# Altium PCB PCB2.PcbDoc
Units mm, origin at the board's own origin, x right, y up, seen from the top; angles counter-clockwise.
Board outline 127 x 84.33 mm, 2 copper layers (Top Layer, Bottom Layer); 17 components, 127 nets, 335 pads, 53 vias.
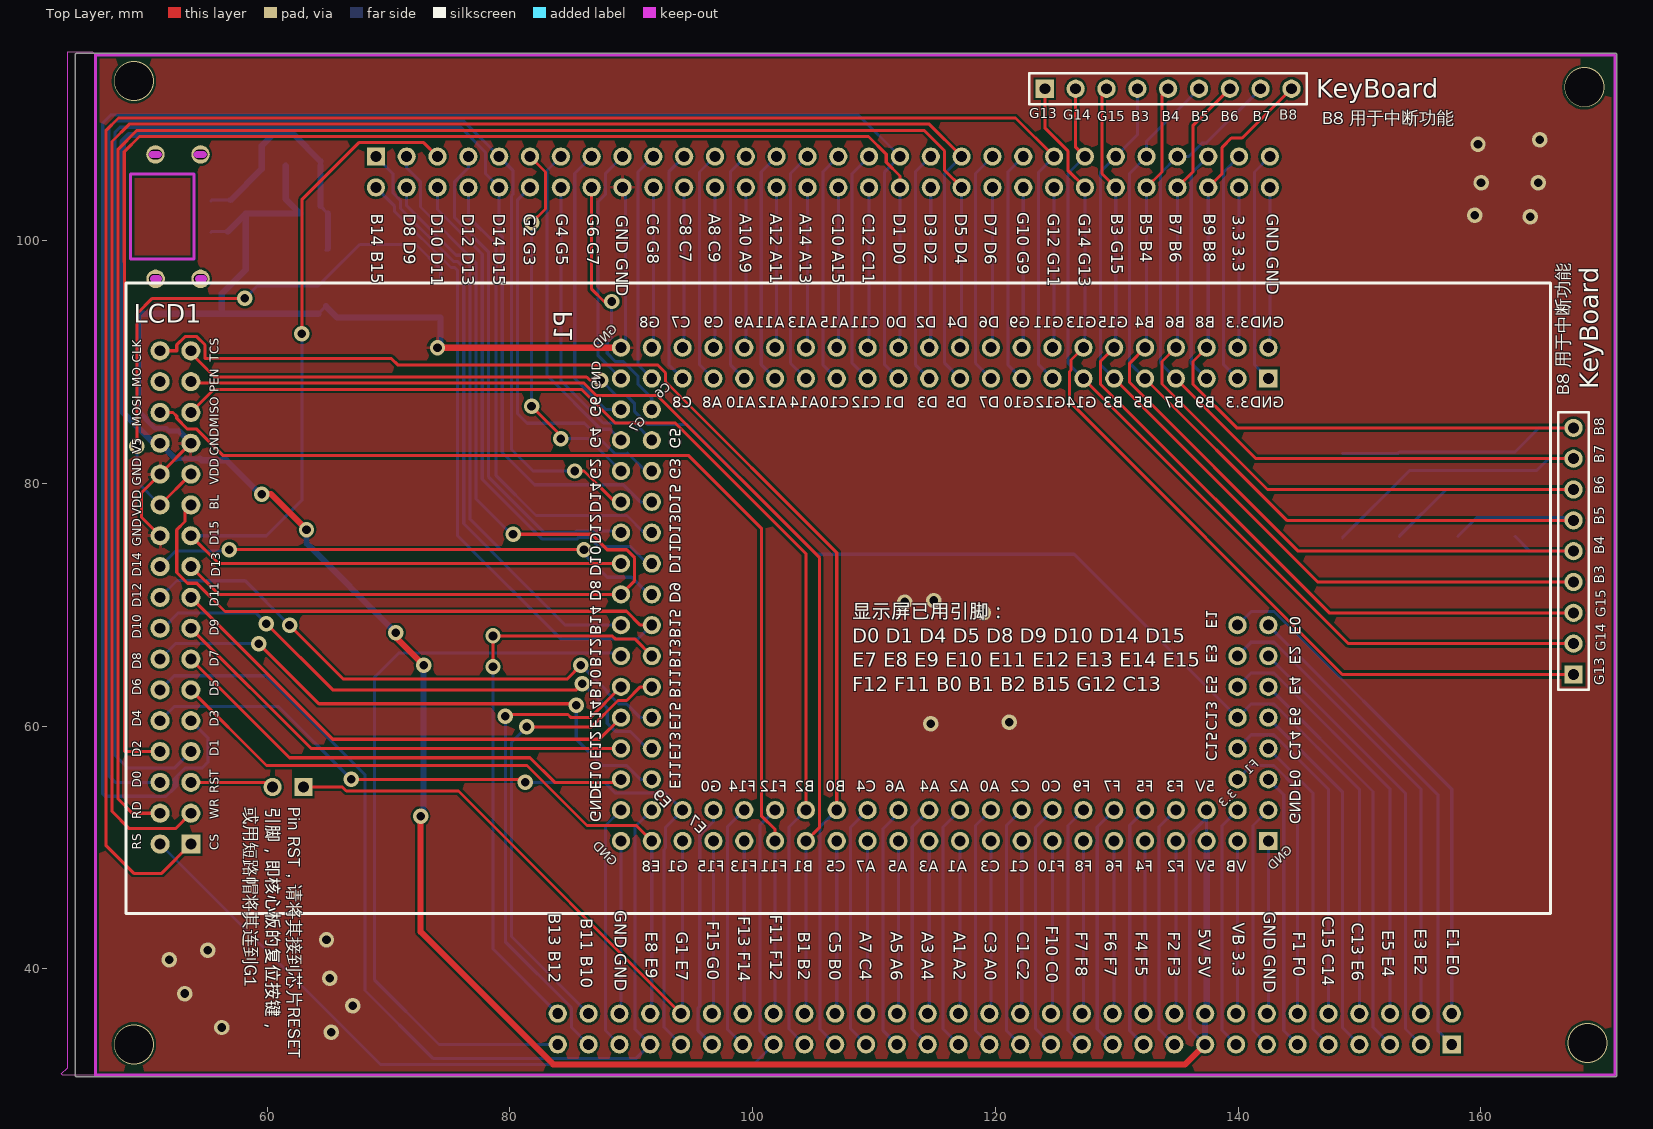
[diagram p0: Top Layer view]
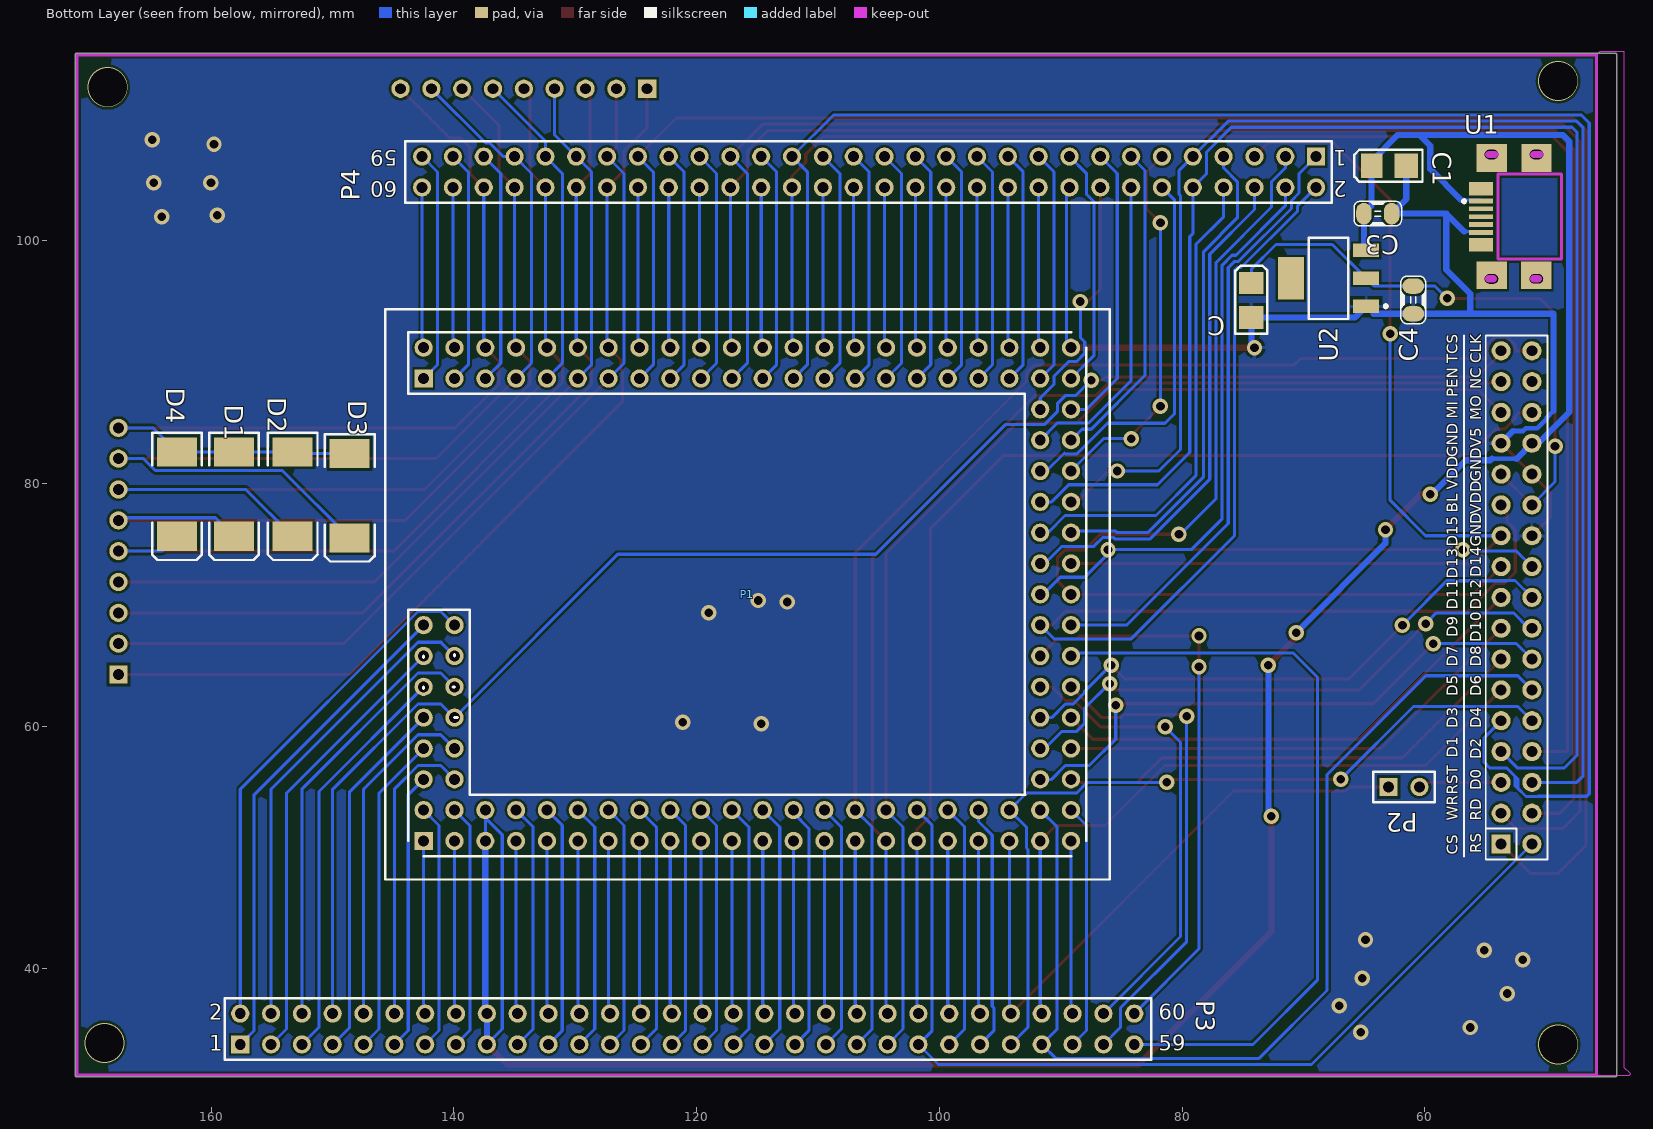
[diagram p1: Bottom Layer view, seen from below]

## Layer stack, top to bottom
Top Solder: solder mask 0.0102, Solder Resist, Dk 3.5
Top Layer: signal copper 0.0356
Dielectric 1: dielectric 0.32, FR-4, Dk 4.8
Bottom Layer: signal copper 0.0356
Bottom Solder: solder mask 0.0102, Solder Resist, Dk 3.5

## Board outline
44.196,31.242 ccw(c44.323,31.242) 44.323,31.115 171.069,31.115 ccw(c171.069,31.242) 171.196,31.242 171.196,115.316 ccw(c171.069,115.316) 171.069,115.443 44.323,115.443 ccw(c44.323,115.316) 44.196,115.316
cut-out: 45.593,115.57 45.847,115.316 45.847,31.242 43.18,31.242 43.053,31.369 43.561,31.877 43.561,115.57

## Design rules (kind name [scope] priority, off if disabled: settings)
Clearance [All] p1: gap=0.203
PolygonConnect [All] p1: connectstyle=Relief reliefconductorwidth=0.254 reliefentries=4 polygonreliefangle="90 Angle" airgapwidth=0.254
RoutingVias [All] p1: holewidth=0.711 width=1.27 viastyle="Through Hole" minholewidth=0.711 minwidth=1.27 maxholewidth=0.711 maxwidth=1.27
SolderMaskExpansion [All] p1: expansion=0.102
Width [All] p1: maxlimit=0.508 minlimit=0.254 preferedwidth=0.254 minimp=50.000000 maximp=50.000000 favimp=50.000000
30 further rules are at their usual default settings.

## Classes and differential pairs
component class STM32F407ZGT6Floor: C C1 C3 C4 LCD1 P1 P2 P3 P4 U1 U2

## Components (designator, comment, footprint, x,y, rotation, side; value= is the part's Value field where it differs from the comment)
C "Cap Pol3" CAP_SMD_3216 74.295,96.52 r270 bottom
C1 "Cap Pol3" CAP_SMD_3216 64.389,106.172 r180 bottom
C3 "Cap" 0805C 62.738,102.235 r0 bottom
C4 "Cap" 0805C 60.96,93.98 r90 bottom
D1 "Comment" SMC 158.115,79.121 r270 bottom
D2 "Comment" SMC 153.289,79.121 r270 bottom
D3 "Comment" SMC 148.59,78.994 r270 bottom
D4 "Comment" SMC 162.814,79.121 r270 bottom
KeyBoard "Comment" HDR1X9 124.079,112.522 r0 top
KeyBoard "Comment" HDR1X9 167.64,64.262 r90 top
LCD1 "TFT_LCD2" DB2*17-3.5-1 48.387,43.307 r90 top
P1 "HeaderST" PCBComponent_1-1 115.824,70.866 r180 bottom
P2 "Header 2" HDR1X2 62.992,54.991 r180 bottom
P3 "Header 30X2" HDR2X30 157.607,33.782 r180 bottom
P4 "Header 30X2" HDR2X30 68.961,106.934 r0 bottom
U1 "micro USB" "Micro_USB_v2 - duplicate" 54.991,101.981 r90 bottom
U2 "1117-xx" SOT-223_ 67.945,96.901 r90 bottom

## Footprints (in the part's own frame and the unit in brackets; to place one, negate y for a bottom-side part, rotate by r counter-clockwise, add the part's x,y. Pads: shape width x height; smd on the part's side, far side on the other; paste and mask are expansions set on the pad)
0805C [mil] "0805封装电容"
  oval 50x70 smd: 1(0,0) 2(90,0)
  silkscreen extent -32,-40 122,40, body extent 3,-25 82,25, height 30
CAP_SMD_3216 [mil] "贴片钽电容，10uF"
  rect 70x80 smd: 1(0,0)
  rect 75x80 smd: 2(112.2,0)
  silkscreen extent -56,-52 165,52, body extent -11,-35 123,35, height 63
DB2*17-3.5-1 [mil]
  rect 62x62 hole 35: 1(275,-210)
  round 62 hole 35: 2(275,-110) 3(375,-210) 4(375,-110) 5(475,-210) 6(475,-110) 7(575,-210) 8(575,-110) 9(675,-210) 10(675,-110) 11(775,-210) 12(775,-110) 13(875,-210) 14(875,-110) 15(975,-210) 16(975,-110) 17(1075,-210) 18(1075,-110) 19(1175,-210) 20(1175,-110) 21(1275,-210) 22(1275,-110) 23(1375,-210) 24(1375,-110) 25(1475,-210) 26(1475,-110) 27(1575,-210) 28(1575,-110) 29(1675,-210) 30(1675,-110) 31(1775,-210) 32(1775,-110) 33(1875,-210) 34(1875,-110)
HDR1X2 [mm] "Connector; Header; 2 Position"
  rect 1.5x1.5 hole 0.9: 1(0,0)
  round 1.5 hole 0.9: 2(2.54,0)
  silkscreen extent -1.27,-1.27 3.81,1.27
HDR1X9 [mm] "Connector; Header; 9 Position"
  rect 1.5x1.5 hole 0.9: 1(0,0)
  round 1.5 hole 0.9: 2(2.54,0) 3(5.08,0) 4(7.62,0) 5(10.16,0) 6(12.7,0) 7(15.24,0) 8(17.78,0) 9(20.32,0)
  silkscreen extent -1.27,-1.27 21.59,1.27
HDR2X30 [mm] "Connector; Header; 30x2 Position"
  rect 1.5x1.5 hole 0.9: 1(0,0)
  round 1.5 hole 0.9: 2(0,2.54) 3(2.54,0) 4(2.54,2.54) 5(5.08,0) 6(5.08,2.54) 7(7.62,0) 8(7.62,2.54) 9(10.16,0) 10(10.16,2.54) 11(12.7,0) 12(12.7,2.54) 13(15.24,0) 14(15.24,2.54) 15(17.78,0) 16(17.78,2.54) 17(20.32,0) 18(20.32,2.54) 19(22.86,0) 20(22.86,2.54) 21(25.4,0) 22(25.4,2.54) 23(27.94,0) 24(27.94,2.54) 25(30.48,0) 26(30.48,2.54) 27(33.02,0) 28(33.02,2.54) 29(35.56,0) 30(35.56,2.54) 31(38.1,0) 32(38.1,2.54) 33(40.64,0) 34(40.64,2.54) 35(43.18,0) 36(43.18,2.54) 37(45.72,0) 38(45.72,2.54) 39(48.26,0) 40(48.26,2.54) 41(50.8,0) 42(50.8,2.54) 43(53.34,0) 44(53.34,2.54) 45(55.88,0) 46(55.88,2.54) 47(58.42,0) 48(58.42,2.54) 49(60.96,0) 50(60.96,2.54) 51(63.5,0) 52(63.5,2.54) 53(66.04,0) 54(66.04,2.54) 55(68.58,0) 56(68.58,2.54) 57(71.12,0) 58(71.12,2.54) 59(73.66,0) 60(73.66,2.54)
  silkscreen extent -1.27,-1.27 75.06,3.81
"Micro_USB_v2 - duplicate" [mm]
  round 1.524 hole 0.762 slot 1.1 at 90 deg: 0(-5.125,-0.475) 0(-5.12,-4.175) 0(5.125,-4.191) 0(5.125,-0.475)
  rect 0.4x2 smd: 1(1.3,0.381) 2(0.65,0.381) 3(0,0.381) 4(-0.65,0.381) 5(-1.3,0.381)
  rect 2.3x2.5 smd: ""(-4.826,-4.175) ""(-4.826,-0.508) ""(4.826,-4.191) ""(4.826,-0.508)
  rect 1.1x2 smd: ""(-2.3,0.381) ""(2.3,0.381)
  Keep-Out Layer lines w0.254: -3.5,-6.25 -3.5,-1 ; -3.45,-6.25 3.5,-6.25 3.5,-1 ; -3.45,-1 3.45,-1
  Keep-Out Layer lines w0.6: 5.125,-4.445 5.125,-3.962 ; -5.12,-4.335 -5.12,-3.962 ; 5.125,-0.762 5.125,-0.262 ; -5.125,-0.635 -5.125,-0.262
  silkscreen extent 1.15,1.65 1.4,1.9
PCBComponent_1-1 [mm]
  round 1.5 hole 0.9: 1(-26.67,-2.54) 2(-24.13,-2.54) 3(-26.67,-5.08) 4(-24.13,-5.08) 5(-26.67,-7.62) 6(-24.13,-7.62) 7(-26.67,-10.16) 8(-24.13,-10.16) 9(-26.67,-12.7) 10(-24.13,-12.7) 11(-26.67,-15.24) 12(-24.13,-15.24) 13(-26.67,-17.78) 15(-24.13,-17.78) 16(-24.13,-20.32) 18(-21.59,-20.32) 18(-21.59,-17.78) 19(-19.05,-17.78) 20(-19.05,-20.32) 21(-16.51,-17.78) 22(-16.51,-20.32) 23(-13.97,-17.78) 24(-13.97,-20.32) 25(-11.43,-17.78) 26(-11.43,-20.32) 27(-8.89,-17.78) 28(-8.89,-20.32) 29(-6.35,-17.78) 30(-6.35,-20.32) 31(-3.81,-17.78) 32(-3.81,-20.32) 33(-1.27,-17.78) 34(-1.27,-20.32) 35(1.27,-17.78) 36(1.27,-20.32) 37(3.81,-17.78) 38(3.81,-20.32) 39(6.35,-17.78) 40(6.35,-20.32) 41(8.89,-17.78) 42(8.89,-20.32) 43(11.43,-17.78) 44(11.43,-20.32) 45(13.97,-17.78) 46(13.97,-20.32) 47(16.51,-17.78) 48(16.51,-20.32) 49(19.05,-17.78) 50(19.05,-20.32) 51(21.59,-17.78) 52(21.59,-20.32) 53(24.13,-17.78) 54(24.13,-20.32) 55(26.67,-17.78) 56(26.67,-20.32) 57(26.67,-15.24) 58(24.13,-15.24) 59(26.67,-12.7) 60(24.13,-12.7) 61(26.67,-10.16) 62(24.13,-10.16) 63(26.67,-7.62) 64(24.13,-7.62) 65(26.67,-5.08) 66(24.13,-5.08) 67(26.67,-2.54) 68(24.13,-2.54) 69(26.67,0) 70(24.13,0) 71(26.67,2.54) 72(24.13,2.54) 73(26.67,5.08) 74(24.13,5.08) 75(26.67,7.62) 76(24.13,7.62) 77(26.67,10.16) 78(24.13,10.16) 79(26.67,12.7) 80(24.13,12.7) 81(26.67,15.24) 82(24.13,15.24) 83(26.67,17.78) 84(26.67,20.32) 85(24.13,17.78) 86(24.13,20.32) 87(21.59,17.78) 88(21.59,20.32) 89(19.05,17.78) 90(19.05,20.32) 91(16.51,17.78) 92(16.51,20.32) 93(13.97,17.78) 94(13.97,20.32) 95(11.43,17.78) 96(11.43,20.32) 97(8.89,17.78) 98(8.89,20.32) 99(6.35,17.78) 100(6.35,20.32) 101(3.81,17.78) 102(3.81,20.32) 103(1.27,17.78) 104(1.27,20.32) 105(-1.27,17.78) 106(-1.27,20.32) 107(-3.81,17.78) 108(-3.81,20.32) 109(-6.35,17.78) 110(-6.35,20.32) 111(-8.89,17.78) 112(-8.89,20.32) 113(-11.43,17.78) 114(-11.43,20.32) 115(-13.97,17.78) 116(-13.97,20.32) 117(-16.51,17.78) 118(-16.51,20.32) 119(-19.05,17.78) 120(-19.05,20.32) 121(-21.59,17.78) 122(-21.59,20.32) 123(-24.13,17.78) 124(-24.13,20.32) 126(-26.67,20.32)
  rect 1.5x1.5 hole 0.9: 14(-26.67,-20.32) 125(-26.67,17.78)
  silkscreen extent -29.84,-23.5 29.84,23.5
SMC [mm] "DO-214-AB/SMC; 2 C-Bend Leads; Body 7.9 x 5.9 mm, inc. leads (LxW)"
  rect 2.4x3.3 smd: 1(-3.475,0) 2(3.475,0)
  silkscreen extent -5.07,-2.05 5.43,2.05
SOT-223_ [mm] "SOT-223/SC-73; 4 Leads; Body 6.7 x 7.3 mm, inc. leads (LxW max)"
  rect 1.1x2.15 smd: 1(-2.3,-3.1) 2(0,-3.1) 3(2.3,-3.1)
  rect 3.5x2.15 smd: 4(0,3.1)
  silkscreen extent -3.35,-4.85 3.35,1.63, body extent -3.25,-3.58 3.25,3.38, height 1.65

## Part data
C C1: "Polarized Capacitor (Surface Mount)"
C3 C4: "Capacitor"
P1 P3 P4: "Header, 30-Pin, Dual row"
P2: "Header, 2-Pin"
U1: library part usb-STM
U2: "稳压芯片"

## Via types
v1: diameter 1.27, hole 0.711, Top Layer to Bottom Layer, 49 vias
v2: diameter 3.3, hole 3.15, Top Layer to Bottom Layer, 4 vias

## Nets (pads, with @x,y where several pads share a name; then routed paths per layer and width w, separated by ;. In a path a pad name is that pad's centre, name@x,y a point inside that pad or via, vN(x,y) a via of type N, cw(c..) or ccw(c..) an arc to the next point about the centre after c; other vN are vias at no path point)
FSMC_A6: LCD1.2 P1.45 P3.45 | length 79
  Bottom Layer w0.254: LCD1.2 69.342,32.131 100.076,32.131 P3.45 100.596,34.913 100.596,51.828 P1.45
FSMC_D0: LCD1.6 P1.75 P4.9 | length 126.9
  Top Layer w0.254: v1(85.344,81.026) 86.106,81.026 88.646,78.486 P1.75
  Bottom Layer w0.254: LCD1.6 47.498,55.372 46.963,55.907 46.963,109.32 47.498,109.855 76.2,109.855 P4.9 80.252,105.803 80.252,103.811 80.137,103.696 80.137,82.804 81.915,81.026 v1(85.344,81.026)
FSMC_D1: LCD1.7 P1.76 P4.10 | length 129.5
  Bottom Layer w0.254: LCD1.7 52.349,56.54 48.539,56.54 47.471,57.609 47.471,108.939 47.879,109.347 75.946,109.347 77.978,107.315 77.978,105.537 P4.10 79.121,100.584 79.375,100.33 79.375,82.55 82.03,79.895 89.344,79.895 90.753,78.486 P1.76
FSMC_D2: LCD1.8 P1.102 P4.36 | length 132.7
  Top Layer w0.254: LCD1.8 48.26,57.912 48.26,98.244 48.233,98.271 48.233,107.332 49.486,108.585 109.549,108.585 111.01,107.124 111.01,106.466 112.141,105.335 P4.36
  Bottom Layer w0.254: P1.102 112.141,91.313 P4.36
FSMC_D3: LCD1.9 P1.101 P4.35 | length 161.4
  Bottom Layer w0.254: LCD1.9 55.118,59.055 55.118,57.023 54.635,56.54 53.237,56.54 52.553,55.856 ; P1.101 110.883,89.777 110.883,105.676 P4.35 108.712,110.363 47.117,110.363 46.455,109.701 46.455,54.427 46.653,54.229 ; 46.653,54.229 50.672,54.229 50.697,54.204 ; 46.653,54.229 46.678,54.204 50.697,54.204 ; 50.697,54.204 51.665,54.204 52.349,54.888 ; 52.349,54.888 52.349,55.653 52.553,55.856 ; 52.349,54.888 52.553,55.091 52.553,55.856
FSMC_D4: LCD1.10 P1.51 P3.51 | length 67.5
  Top Layer w0.254: v1(66.929,55.626) 80.772,55.626 80.899,55.753 v1(81.28,55.372)
  Bottom Layer w0.254: LCD1.10 52.349,61.62 60.935,61.62 v1@66.802,55.753 ; v1(81.28,55.372) 87.809,55.372 88.686,54.495 92.825,54.495 P1.51 92.825,51.677 92.825,49.963 92.71,49.848 92.71,35.179 P3.51
FSMC_D5: LCD1.11 P1.54 P3.54 | length 57.4
  Top Layer w0.254: LCD1.11 59.944,56.769 81.407,56.769 86.36,51.816 90.424,51.816 P1.54
  Bottom Layer w0.254: P3.54 91.694,36.449 P1.54
FSMC_D6: LCD1.12 P1.53 P3.53 | length 85.2
  Bottom Layer w0.254: LCD1.12 52.349,64.16 59.919,64.16 68.072,56.007 68.072,38.227 73.66,32.639 90.424,32.639 P3.53 90.297,35.052 90.297,51.689 P1.53
FSMC_D7: LCD1.13 P1.57 | length 39.7
  Top Layer w0.254: LCD1.13 61.849,57.404 81.661,57.404 83.693,55.372 88.9,55.372 P1.57
FSMC_D8: LCD1.14 P1.58 | length 47.3
  Top Layer w0.254: v1(59.309,66.802) 64.262,61.849 85.344,61.849 v1(85.471,61.722)
  Bottom Layer w0.254: LCD1.14 52.451,66.802 v1(59.309,66.802) ; v1(85.471,61.722) 85.471,58.928 87.642,56.757 89.622,56.757 90.753,55.626 P1.58
FSMC_D9: LCD1.15 P1.59 | length 39.5
  Top Layer w0.254: LCD1.15 63.627,58.166 P1.59
FSMC_D10: LCD1.16 P1.60 | length 46.5
  Top Layer w0.254: v1(59.944,68.453) 65.405,62.992 85.471,62.992 v1(85.979,63.5)
  Bottom Layer w0.254: LCD1.16 51.435,68.072 52.705,69.342 59.055,69.342 v1@59.69,68.707 ; v1(85.979,63.5) 86.019,63.5 88.023,61.496 88.023,60.238 88.686,59.575 89.904,59.575 91.313,58.166 P1.60
FSMC_D11: LCD1.17 P1.61 | length 41
  Top Layer w0.254: LCD1.17 65.405,58.928 87.376,58.928 P1.61
FSMC_D12: LCD1.18 P1.62 | length 46.6
  Top Layer w0.254: v1(61.849,68.326) 66.294,63.881 84.709,63.881 v1(85.852,65.024)
  Bottom Layer w0.254: LCD1.18 52.578,72.009 53.212,72.009 53.237,71.984 58.191,71.984 v1@61.722,68.453 ; v1(85.852,65.024) 85.892,65.024 88.023,62.893 88.023,62.778 88.964,61.837 89.622,61.837 90.753,60.706 P1.62
FSMC_D13: LCD1.19 P1.69 P4.3 | length 85.5
  Top Layer w0.254: LCD1.19 56.007,70.866 P1.69 90.285,71.997 90.285,73.874 89.622,74.537 88.023,74.537 86.741,75.819 v1(80.264,75.819)
  Bottom Layer w0.254: P4.3 71.501,105.993 72.632,104.862 72.632,102.782 77.216,98.198 77.216,78.74 80.137,75.819 v1(80.264,75.819)
FSMC_D14: LCD1.20 P1.70 P4.4 | length 83.4
  Top Layer w0.254: v1(56.896,74.549) v1(86.106,74.549)
  Bottom Layer w0.254: LCD1.20 52.451,74.422 56.769,74.422 v1(56.896,74.549) ; P4.4 71.501,102.87 75.565,98.806 75.89,98.806 76.708,97.988 76.708,77.089 79.248,74.549 v1(86.106,74.549) 85.749,74.549 88.023,72.275 90.031,72.275 91.44,70.866 P1.70
FSMC_D15: LCD1.21 P1.71 P4.5 | length 85.1
  Top Layer w0.254: LCD1.21 56.007,73.406 P1.71 ; v1(62.865,92.329) 62.865,103.378 67.564,108.077 72.898,108.077 P4.5
  Bottom Layer w0.254: LCD1.21 59.944,75.692 62.865,78.613 v1(62.865,92.329)
FSMC_NE4: LCD1.1 P1.111 P4.45 | length 167
  Top Layer w0.254: LCD1.1 51.308,47.879 49.022,47.879 46.709,50.192 46.709,109.066 47.752,110.109 121.666,110.109 P4.45
  Bottom Layer w0.254: P1.111 123.571,89.789 123.571,105.664 P4.45
FSMC_NOE: LCD1.4 P1.106 P4.40 | length 143.8
  Top Layer w0.254: LCD1.4 48.895,52.832 47.725,54.002 47.725,107.542 49.276,109.093 114.121,109.093 115.812,107.402 115.812,105.803 P4.40
  Bottom Layer w0.254: P1.106 117.221,91.313 P4.40
FSMC_NWE: LCD1.3 P1.105 P4.39 | length 153.9
  Top Layer w0.254: LCD1.3 52.451,51.562 48.641,51.562 47.217,52.986 47.217,108.177 48.641,109.601 114.554,109.601 P4.39
  Bottom Layer w0.254: P1.105 115.824,89.916 115.824,105.537 P4.39
GND: C1.2 C3.1 C4.1 C.2 LCD1.22 LCD1.26 LCD1.27 P1.84 P4.18 U1.5 U2.1 | length 101.6
  Top Layer w0.254: LCD1.22 49.657,77.216 49.657,79.248 LCD1.26 LCD1.27
  Top Layer w0.508: v1(74.041,91.186) P1.84
  Bottom Layer w0.254: U1.5 55.441,100.75 56.753,100.75 ; 64.224,93.98 U2.1 ; v1(74.041,91.186) v1@74.295,91.44 ; P1.84 89.535,91.567 89.535,104.14 P4.18
  Bottom Layer w0.381: 49.403,85.978 49.949,85.432 49.949,85.342 50.747,84.544 51.691,84.544 51.907,84.328 52.705,84.328
  Bottom Layer w0.508: 49.403,85.978 49.403,93.98 56.261,93.98 ; 52.705,84.328 LCD1.27 ; 56.753,100.75 58.238,102.235 ; C1.2 61.539,103.434 C3.1 58.238,102.235 ; 64.224,93.98 C4.1 56.261,93.98 ; U2.1 65.776,93.67 C.2 v1@74.295,91.44 ; 56.261,93.98 56.261,95.631 58.238,97.608 58.238,102.235
  other v1: 65.278,34.798 56.261,35.179 67.056,36.957 53.213,37.973 65.151,39.243 51.943,40.767 55.118,41.529 64.897,42.418 114.681,60.198 121.158,60.325 118.999,69.342 112.522,70.231 114.935,70.358 164.084,101.981 159.512,102.108 160.02,104.775 164.719,104.775 159.766,107.95 164.846,108.331
H1: P1.1 P3.1 | length 40.8
  Bottom Layer w0.254: P1.1 156.464,54.356 156.464,34.925 P3.1
H2: P1.2 P3.2 | length 42.7
  Bottom Layer w0.254: P1.2 141.085,69.457 142.962,69.457 157.607,54.812 P3.2
H3: P1.3 P3.3 | length 37.2
  Bottom Layer w0.254: P1.3 153.797,54.483 153.797,35.052 P3.3
H4: P1.4 P3.4 | length 39.1
  Bottom Layer w0.254: P1.4 141.034,66.865 ; 141.034,66.917 142.962,66.917 155.067,54.812 P3.4
H5: P1.5 P3.5 | length 33.6
  Bottom Layer w0.254: P1.5 151.118,54.622 151.118,35.445 151.13,35.433 151.13,35.179 P3.5
H6: P1.6 P3.6 | length 35.5
  Bottom Layer w0.254: P1.6 141.085,64.377 142.962,64.377 152.527,54.812 P3.6
H7: P1.7 P3.7 | length 30
  Bottom Layer w0.254: P1.7 148.59,54.61 148.59,35.179 P3.7
H8: LCD1.33 P1.8 P3.8 | length 131.1
  Top Layer w0.254: LCD1.33 53.721,90.747 55.695,88.773 86.324,88.773 86.578,88.519 v1(87.503,88.519)
  Bottom Layer w0.254: v1(87.503,88.519) 88.785,87.237 89.622,87.237 90.285,86.574 90.285,85.916 91.327,84.874 94.526,84.874 105.231,74.168 126.492,74.168 P1.8 141.085,61.837 142.962,61.837 149.987,54.812 P3.8
H9: P1.9 P3.9 | length 26.4
  Bottom Layer w0.254: P1.9 146.177,54.483 146.177,35.052 P3.9
H10: P1.10 P3.10 | length 28.3
  Bottom Layer w0.254: P1.10 141.097,59.309 141.109,59.297 142.962,59.297 147.447,54.812 P3.10
H11: P1.11 P3.11 | length 22.8
  Bottom Layer w0.254: P1.11 143.764,54.356 143.764,34.925 P3.11
H12: P1.12 P3.12 | length 24.7
  Bottom Layer w0.254: P1.12 141.085,56.757 142.962,56.757 144.907,54.812 P3.12
H13: P1.13 P3.13 | length 20.3
  Bottom Layer w0.254: P3.13 141.224,34.925 141.224,51.816 P1.13
H14: P1.14 P3.14 | length 14.3
  Bottom Layer w0.254: P3.14 142.494,36.449 P1.14
H15: P1.15 P3.15 | length 20.3
  Bottom Layer w0.254: P3.15 138.684,34.925 138.684,51.816 P1.15
H16: P1.16 P3.16 | length 14.3
  Bottom Layer w0.254: P3.16 139.954,36.449 P1.16
H17: C1.1 C3.2 LCD1.28 P1.18 P3.17 P3.18 U1.1 U2.3 | length 221.4
  Top Layer w0.254: v1@70.612,67.31 v1@71.12,67.818
  Top Layer w0.508: v1(59.563,79.121) 60.325,79.121 v1(63.246,76.2) ; v1@70.612,67.31 v1(72.898,65.024) ; v1(72.644,52.578) 72.644,43.053 83.566,32.131 135.636,32.131 P3.17
  Bottom Layer w0.254: U1.1 55.441,103.35 56.995,103.35 ; 64.389,102.87 C3.2 ; C1.1 C1.1@64.389,106.553 ; U2.3 U2.3@65.024,99.38 ; v1(72.644,52.578) v1@72.898,52.832 ; P3.17 136.017,35.052 136.017,51.054 P1.18@137.414,52.451 ; P3.18 P3.18@137.414,36.449 ; P1.18@137.414,50.546 P1.18@137.414,52.451 ; P1.18@137.414,53.086 P1.18@137.414,52.451
  Bottom Layer w0.381: 52.451,82.042 54.483,82.042
  Bottom Layer w0.508: 52.451,82.042 LCD1.28 50.673,83.312 48.106,85.879 48.106,108.177 48.641,108.712 60.452,108.712 ; 54.483,82.042 54.61,81.915 56.642,81.915 59.436,79.121 v1(59.563,79.121) ; 56.995,103.35 59.563,105.918 59.563,107.823 60.452,108.712 ; v1(63.246,76.2) 63.246,75.057 v1@70.485,67.818 ; 64.389,102.87 C1.1 ; C1.1@64.389,106.553 62.23,108.712 60.452,108.712 ; U2.3@65.024,99.38 C3.2 ; v1@72.898,52.832 v1(72.898,65.024) ; P3.17 P3.18 ; P3.18@137.414,36.449 P1.18@137.414,50.546
  other v1: 70.612,67.691
H19: P1.19 P3.19 | length 20.4
  Bottom Layer w0.254: P3.19 133.477,35.052 133.477,51.689 P1.19
H20: P1.20 P3.20 | length 14.3
  Bottom Layer w0.254: P3.20 134.874,36.449 P1.20
H21: P1.21 P3.21 | length 20.3
  Bottom Layer w0.254: P3.21 131.076,34.913 131.076,51.828 P1.21
H22: P1.22 P3.22 | length 14.3
  Bottom Layer w0.254: P3.22 132.334,36.449 P1.22
H23: P1.23 P3.23 | length 20.4
  Bottom Layer w0.254: P3.23 128.397,35.052 128.397,51.689 P1.23
H24: P1.24 P3.24 | length 14.3
  Bottom Layer w0.254: P3.24 129.794,36.449 P1.24
H25: P1.25 P3.25 | length 20.3
  Bottom Layer w0.254: P3.25 125.984,34.925 125.984,51.816 P1.25
H26: P1.26 P3.26 | length 14.3
  Bottom Layer w0.254: P3.26 127.254,36.449 P1.26
H27: P1.27 P3.27 | length 20.4
  Bottom Layer w0.254: P3.27 123.317,35.052 123.317,51.689 P1.27
H28: P1.28 P3.28 | length 14.3
  Bottom Layer w0.254: P3.28 124.714,36.449 P1.28
H29: P1.29 P3.29 | length 20.3
  Bottom Layer w0.254: P3.29 120.916,34.913 120.916,51.828 P1.29
H30: P1.30 P3.30 | length 14.3
  Bottom Layer w0.254: P3.30 122.174,36.449 P1.30
H31: P1.31 P3.31 | length 20.3
  Bottom Layer w0.254: P3.31 118.364,34.925 118.364,51.816 P1.31
H32: P1.32 P3.32 | length 14.3
  Bottom Layer w0.254: P3.32 119.634,36.449 P1.32
H33: P1.33 P3.33 | length 20.4
  Bottom Layer w0.254: P3.33 115.697,35.052 115.697,51.689 P1.33
H34: P1.34 P3.34 | length 14.3
  Bottom Layer w0.254: P3.34 117.094,36.449 P1.34
H35: P1.35 P3.35 | length 20.4
  Bottom Layer w0.254: P3.35 113.157,35.052 113.157,51.689 P1.35
H36: P1.36 P3.36 | length 14.3
  Bottom Layer w0.254: P3.36 114.554,36.449 P1.36
H37: P1.37 P3.37 | length 20.3
  Bottom Layer w0.254: P3.37 110.756,34.913 110.756,51.574 112.014,52.832 P1.37
H38: P1.38 P3.38 | length 14.3
  Bottom Layer w0.254: P3.38 112.014,36.449 P1.38
H39: P1.39 P3.39 | length 20.4
  Bottom Layer w0.254: P3.39 108.077,35.052 108.077,51.689 P1.39
H40: P1.40 P3.40 | length 14.3
  Bottom Layer w0.254: P3.40 109.474,36.449 P1.40
H41: LCD1.34 P1.41 P3.41 | length 106.6
  Top Layer w0.254: LCD1.34 52.553,90.932 52.553,91.416 53.237,92.1 54.205,92.1 54.889,91.416 54.889,90.297 70.231,90.297 70.751,89.777 92.162,89.777 92.825,89.114 92.825,88.404 106.934,74.295 P1.41
  Bottom Layer w0.254: P3.41 105.537,35.052 105.537,51.689 P1.41
H42: P1.42 P3.42 | length 14.3
  Bottom Layer w0.254: P3.42 106.934,36.449 P1.42
H43: LCD1.29 P1.43 P3.43 | length 98.6
  Top Layer w0.254: LCD1.29 55.626,87.757 85.904,87.757 88.686,84.975 93.631,84.975 104.394,74.212 P1.43
  Bottom Layer w0.254: P3.43 102.997,35.052 102.997,51.689 P1.43
H44: LCD1.31 P1.44 P3.44 | length 95.8
  Top Layer w0.254: LCD1.31@53.721,88.265 86.114,88.265 87.142,87.237 92.162,87.237 105.525,73.874 105.525,51.677 P1.44
  Bottom Layer w0.254: P3.44 104.394,36.449 P1.44
H46: LCD1.30 P1.46 P3.46 | length 94.1
  Top Layer w0.254: LCD1.30 52.246,85.852 52.553,85.545 52.553,85.368 53.44,84.48 54.205,84.48 56.389,82.296 94.742,82.296 100.723,76.315 100.723,52.618 101.854,51.487 P1.46
  Bottom Layer w0.254: P3.46 101.854,36.449 P1.46
H47: P1.47 P3.47 | length 20.4
  Bottom Layer w0.254: P3.47 97.917,35.052 97.917,51.689 P1.47
H48: P1.48 P3.48 | length 14.3
  Bottom Layer w0.254: P3.48 99.314,36.449 P1.48
H49: P1.49 P3.49 | length 20.3
  Bottom Layer w0.254: P3.49 95.516,34.913 95.516,36.79 95.643,36.917 95.643,51.014 96.774,52.145 P1.49
H50: P1.50 P3.50 | length 14.3
  Bottom Layer w0.254: P3.50 96.774,36.449 P1.50
H52: P1.52 P2.1 P3.52 | length 53.1
  Top Layer w0.254: P2.1 66.199,54.991 66.529,54.661 75.768,54.661 P3.52
  Bottom Layer w0.254: P3.52 94.234,36.449 P1.52
H55: P1.55 P3.55 | length 20.3
  Bottom Layer w0.254: P3.55 87.884,34.925 87.884,51.816 P1.55
H56: P1.56 P3.56 | length 14.3
  Bottom Layer w0.254: P3.56 89.154,36.449 P1.56
H63: P1.63 P3.57 | length 40.6
  Top Layer w0.254: v1(79.629,60.833) 79.756,60.96 84.796,60.96 85.05,60.706 86.614,60.706 P1.63
  Bottom Layer w0.254: v1(79.629,60.833) 79.629,42.239 85.078,36.79 85.078,35.191 P3.57
H64: P1.64 P3.58 | length 38.4
  Top Layer w0.254: v1(81.407,59.944) 86.741,59.944 88.912,62.115 89.622,62.115 90.753,63.246 P1.64
  Bottom Layer w0.254: v1(81.407,59.944) 80.137,58.674 80.137,42.672 P3.58
H65: P1.65 P3.59 | length 63.6
  Bottom Layer w0.254: P3.59 74.168,33.782 68.834,39.116 68.834,64.008 70.866,66.04 89.154,66.04 P1.65
H66: P1.66 P3.60 | length 47.1
  Top Layer w0.254: v1(78.613,64.897) v1(78.613,67.437) 88.444,67.437 88.686,67.195 90.285,67.195 P1.66
  Bottom Layer w0.254: v1(78.613,64.897) 78.613,41.656 P3.60
H67: P1.67 P4.1 | length 49.8
  Bottom Layer w0.254: P4.1 70.37,105.525 70.37,103.926 70.993,103.303 70.993,102.66 75.355,98.298 75.679,98.298 76.2,97.777 76.2,76.708 84.582,68.326 P1.67
H68: LCD1.23 P1.68 P4.2 | length 98.7
  Top Layer w0.254: LCD1.23 53.237,77.748 53.237,76.86 52.553,76.176 52.553,72.668 53.44,71.78 54.205,71.78 56.528,69.457 59.511,69.457 59.523,69.469 89.61,69.469 90.753,68.326 P1.68
  Bottom Layer w0.254: P4.2 70.485,102.87 70.485,102.449 75.144,97.79 75.469,97.79 75.692,97.567 75.692,75.692 84.189,67.195 90.563,67.195 P1.68
H72: P1.72 P4.6 | length 42.5
  Bottom Layer w0.254: P4.6 74.041,102.572 77.724,98.889 77.724,80.351 82.637,75.438 85.558,75.438 85.685,75.565 86.527,75.565 87.277,74.815 89.904,74.815 91.313,73.406 P1.72
H73: P1.73 P4.7 | length 40.9
  Bottom Layer w0.254: P4.7 76.581,105.993 75.45,104.862 75.45,101.882 78.232,99.1 78.232,80.562 82.848,75.946 85.348,75.946 85.475,76.073 89.027,76.073 P1.73
H74: P1.74 P4.8 | length 39.5
  Bottom Layer w0.254: P4.8 76.581,101.981 78.867,99.695 78.867,80.645 82.157,77.355 89.65,77.355 91.059,75.946 P1.74
H77: P1.77 P4.11 | length 31.3
  Top Layer w0.254: P4.11 82.931,105.664 82.931,102.616 v1(81.788,101.473) ; v1(81.788,86.36) 84.201,83.947 v1(84.201,83.693)
  Bottom Layer w0.254: v1(81.788,86.36) v1(81.788,101.473) ; v1(84.201,83.693) 86.487,83.693 P1.77
H78: P1.78 P4.12 | length 32.1
  Bottom Layer w0.254: P4.12 80.645,103.378 80.645,85.725 81.407,84.963 86.158,84.963 88.686,82.435 89.622,82.435 89.7,82.512 91.186,81.026 P1.78
H79: P1.79 P4.13 | length 26.8
  Bottom Layer w0.254: P4.13 83.058,105.791 83.058,88.904 87.495,84.467 88.253,84.467 P1.79
H80: P1.80 P4.14 | length 25.4
  Bottom Layer w0.254: P4.14 84.201,88.479 87.705,84.975 90.285,84.975 P1.80
H81: P1.81 P4.15 | length 23.7
  Bottom Layer w0.254: P4.15 85.344,105.537 85.344,88.646 87.884,86.106 P1.81
H82: P1.82 P4.16 | length 21.4
  Top Layer w0.254: P4.16 86.741,96.012 87.757,94.996 v1(88.392,94.996)
  Bottom Layer w0.254: v1(88.392,94.996) 88.392,92.023 88.023,91.654 88.023,90.718 88.686,90.055 89.344,90.055 90.563,88.836 90.563,88.178 91.694,87.047 P1.82
H83: P1.83 P4.17 | length 19.9
  Bottom Layer w0.254: P1.83 87.249,90.551 87.249,103.188 87.872,103.811 87.872,105.525 P4.17
H85: P1.85 P4.19 | length 19.3
  Bottom Layer w0.254: P1.85 90.563,89.777 90.563,105.676 P4.19
H86: P1.86 P4.20 | length 13.3
  Bottom Layer w0.254: P1.86 91.821,91.313 P4.20
H87: P1.87 P4.21 | length 19.3
  Bottom Layer w0.254: P1.87 93.103,89.777 93.103,105.676 P4.21
H88: P1.88 P4.22 | length 13.3
  Bottom Layer w0.254: P1.88 94.361,91.313 P4.22
H89: P1.89 P4.23 | length 19.3
  Bottom Layer w0.254: P1.89 95.631,89.789 95.631,105.664 P4.23
H90: P1.90 P4.24 | length 13.3
  Bottom Layer w0.254: P1.90 96.901,91.313 P4.24
H91: P1.91 P4.25 | length 19.3
  Bottom Layer w0.254: P1.91 98.171,89.789 98.171,105.664 P4.25
H92: P1.92 P4.26 | length 13.3
  Bottom Layer w0.254: P1.92 99.441,91.313 P4.26
H93: P1.93 P4.27 | length 19.3
  Bottom Layer w0.254: P1.93 100.711,89.789 100.711,105.664 P4.27
H94: P1.94 P4.28 | length 13.3
  Bottom Layer w0.254: P1.94 101.981,91.313 P4.28
H95: P1.95 P4.29 | length 19.4
  Bottom Layer w0.254: P1.95 103.124,89.916 103.124,105.537 P4.29
H96: P1.96 P4.30 | length 13.3
  Bottom Layer w0.254: P1.96 104.521,91.313 P4.30
H97: P1.97 P4.31 | length 19.3
  Bottom Layer w0.254: P1.97 105.791,89.789 105.791,105.664 P4.31
H98: P1.98 P4.32 | length 13.3
  Bottom Layer w0.254: P1.98 107.061,91.313 P4.32
H99: P1.99 P4.33 | length 19.4
  Bottom Layer w0.254: P1.99 108.204,89.916 108.204,105.537 P4.33
H100: P1.100 P4.34 | length 13.3
  Bottom Layer w0.254: P1.100 109.601,91.313 P4.34
H103: P1.103 P4.37 | length 19.3
  Bottom Layer w0.254: P1.103 113.411,89.789 113.411,105.664 P4.37
H104: P1.104 P4.38 | length 13.3
  Bottom Layer w0.254: P1.104 114.681,91.313 P4.38
H107: P1.107 P4.41 | length 19.4
  Bottom Layer w0.254: P1.107 118.364,89.916 118.364,105.537 P4.41
H108: P1.108 P4.42 | length 13.3
  Bottom Layer w0.254: P1.108 119.761,91.313 P4.42
H109: P1.109 P4.43 | length 19.3
  Bottom Layer w0.254: P1.109 121.031,89.789 121.031,105.664 P4.43
H110: P1.110 P4.44 | length 13.3
  Bottom Layer w0.254: P1.110 122.301,91.313 P4.44
H112: P1.112 P4.46 | length 13.3
  Bottom Layer w0.254: P1.112 124.841,91.313 P4.46
H113: KeyBoard.2 P1.113 P4.47 | length 74.7
  Top Layer w0.254: KeyBoard.2@126.619,112.522 126.619,107.696 P4.47 ; P1.113 149.098,66.802 KeyBoard.2@167.64,66.802
  Bottom Layer w0.254: P1.113 125.984,89.916 125.984,105.537 P4.47
H114: KeyBoard.1 P1.114 P4.48 | length 78.6
  Top Layer w0.254: KeyBoard.1@124.079,112.522 124.079,109.295 125.972,107.402 125.972,105.803 P4.48 P4.48@127.484,104.394 ; P1.114 126.238,90.17 126.238,89.344 126.123,89.229 126.123,86.729 148.59,64.262 KeyBoard.1@167.64,64.262
  Bottom Layer w0.254: P1.114 127.381,91.313 P4.48
H115: KeyBoard.4 P1.115 P4.49 | length 70.4
  Top Layer w0.254: P1.115 146.558,71.882 KeyBoard.4@167.64,71.882
  Bottom Layer w0.254: P1.115 128.663,89.777 128.663,105.676 P4.49 131.699,108.712 KeyBoard.4@131.699,112.522
H116: KeyBoard.3 P1.116 P4.50 | length 72.3
  Top Layer w0.254: KeyBoard.3@129.159,112.522 128.79,112.153 128.79,105.525 P4.50 ; P1.116 128.651,90.043 128.651,88.19 147.499,69.342 KeyBoard.3@167.64,69.342
  Bottom Layer w0.254: P1.116 129.921,91.313 P4.50
H117: D1.2 KeyBoard.6 P1.117 P4.51 | length 77.3
  Top Layer w0.254: P1.117 144.018,76.962 KeyBoard.6@167.64,76.962
  Bottom Layer w0.254: P1.117 131.064,89.916 131.064,105.537 P4.51 132.461,108.204 KeyBoard.6@136.779,112.522 ; D1.2 159.645,77.176 167.64,77.176 KeyBoard.6@167.64,76.962
H118: D4.2 KeyBoard.5 P1.118 P4.52 | length 73.2
  Top Layer w0.254: P1.118 131.064,89.916 131.064,88.317 144.959,74.422 KeyBoard.5@167.64,74.422 ; P4.52 133.731,105.664 133.731,112.014 KeyBoard.5@134.239,112.522
  Bottom Layer w0.254: P1.118 132.461,91.313 P4.52 ; D4.2 164.038,74.422 KeyBoard.5@167.64,74.422
H119: D3.2 KeyBoard.8 P1.119 P4.53 | length 85.8
  Top Layer w0.254: P1.119 141.478,82.042 KeyBoard.8@167.64,82.042
  Bottom Layer w0.254: P1.119 133.604,89.916 133.604,105.537 P4.53 135.942,106.934 137.073,108.065 137.402,108.065 KeyBoard.8@141.859,112.522 ; D3.2 154.137,81.066 164.601,81.066 165.577,82.042 KeyBoard.8@167.64,82.042
H120: D2.2 KeyBoard.7 P1.120 P4.54 | length 80.1
  Top Layer w0.254: P1.120 133.731,90.043 133.731,88.19 142.419,79.502 KeyBoard.7@167.64,79.502 ; P4.54 136.271,105.664 136.271,109.474 KeyBoard.7@139.319,112.522
  Bottom Layer w0.254: P1.120 135.001,91.313 P4.54 ; D2.2 157.145,79.502 KeyBoard.7@167.64,79.502
H121: P1.121 P4.55 | length 19.4
  Bottom Layer w0.254: P1.121 136.144,89.916 136.144,105.537 P4.55
H122: D1.1 D2.1 D3.1 D4.1 KeyBoard.9 P1.122 P4.56 | length 81
  Top Layer w0.254: P1.122 136.283,90.055 136.283,88.178 139.879,84.582 KeyBoard.9@167.64,84.582 ; P4.56 138.684,105.537 138.684,107.696 139.446,108.458 140.335,108.458 KeyBoard.9@144.399,112.522
  Bottom Layer w0.254: P1.122 137.541,91.313 P4.56 ; D3.1 153.162,82.469 D2.1 D1.1 D4.1 164.8,84.582 KeyBoard.9@167.64,84.582
H123: P1.123 P4.57 | length 19.3
  Bottom Layer w0.254: P1.123 138.811,89.789 138.811,105.664 P4.57
H124: P1.124 P4.58 | length 13.3
  Bottom Layer w0.254: P1.124 140.081,91.313 P4.58
H125: P1.125 P4.59 | length 19.3
  Bottom Layer w0.254: P1.125 141.351,89.789 141.351,105.664 P4.59
H126: P1.126 P4.60 | length 13.3
  Bottom Layer w0.254: P1.126 142.621,91.313 P4.60
RESET: LCD1.5 P2.2 | length 6.9
  Top Layer w0.254: LCD1.5 60.071,55.372 P2.2
VCC3.3: C4.2 C.1 LCD1.24 LCD1.25 U2.2 | length 49.6
  Top Layer w0.254: v1(49.276,83.058) 49.276,93.98 50.546,95.25 v1(58.166,95.25) ; LCD1.24 LCD1.25
  Bottom Layer w0.254: 49.276,81.153 v1(49.276,83.058) ; 49.276,81.28 49.276,80.137 LCD1.24 ; v1(58.166,95.25) 59.182,96.266 C4.2 64.21,96.266 U2.2 67.639,99.695 72.263,99.695 74.295,97.663 C.1
pads on no net: LCD1.32 U1. U1.0 U1.2 U1.3 U1.4 U2.4
copper on no net:
  other v2: 49.022,33.782 168.783,33.909 168.529,112.649 49.022,113.157

## Polygon pours and split planes (outlines as drawn)
GND on Bottom Layer "GND" (solid, pour order 10): 45.847,115.316 170.688,115.316 170.688,31.242 45.847,31.242
GND on Top Layer "GND" (solid, pour order 16): 46.228,115.57 45.974,115.316 45.847,115.316 170.688,115.316 170.815,115.189 170.815,31.242 45.847,31.242

## Keep-outs
Keep-Out Layer:
  lines w0.254: 45.847,31.242 171.069,31.242 171.069,115.316 45.847,115.316 45.847,31.242

## Silkscreen, mask and mechanical layers (free items; w line width, h text height)
Top Overlay:
  lines w0.254: 48.387,44.577 165.735,44.577 165.735,96.52 48.387,96.52 48.387,44.577
  text "G13" at 122.809,110.109 h0.8
  text "G14" at 125.603,109.982 h0.8
  text "B8" at 143.383,109.982 h0.8
  text "G15" at 128.397,109.855 h0.8
  text "B3" at 131.191,109.855 h0.8
  text "B4" at 133.731,109.855 h0.8
  text "B5" at 136.144,109.855 h0.8
  text "B6" at 138.557,109.855 h0.8
  text "B7" at 141.224,109.855 h0.8
  text "B8 用于中断功能" at 146.939,109.22 h1.8
  text "G10 G9" at 121.793,102.362 h1 r270
  text "B14 B15" at 68.58,102.235 h1 r270
  text "D8 D9" at 71.247,102.235 h1 r270
  text "D10 D11" at 73.533,102.235 h1 r270
  text "D12 D13" at 76.073,102.235 h1 r270
  text "D14 D15" at 78.613,102.235 h1 r270
  text "G2 G3" at 81.153,102.235 h1 r270
  text "G4 G5" at 83.82,102.235 h1 r270
  text "G6 G7" at 86.36,102.235 h1 r270
  text "C6 G8" at 91.313,102.235 h1 r270
  text "C8 C7" at 93.98,102.235 h1 r270
  text "A8 C9" at 96.393,102.235 h1 r270
  text "A10 A9" at 98.933,102.235 h1 r270
  text "A12 A11" at 101.473,102.235 h1 r270
  text "A14 A13" at 103.886,102.235 h1 r270
  text "C10 A15" at 106.553,102.235 h1 r270
  text "C12 C11" at 109.093,102.235 h1 r270
  text "D1 D0" at 111.633,102.235 h1 r270
  text "D3 D2" at 114.173,102.235 h1 r270
  text "D5 D4" at 116.713,102.235 h1 r270
  text "D7 D6" at 119.126,102.235 h1 r270
  text "G12 G11" at 124.333,102.235 h1 r270
  text "G14 G13" at 126.873,102.235 h1 r270
  text "B3 G15" at 129.54,102.235 h1 r270
  text "B5 B4" at 131.953,102.235 h1 r270
  text "B7 B6" at 134.366,102.235 h1 r270
  text "B9 B8" at 137.16,102.235 h1 r270
  text "GND GND" at 142.367,102.235 h1 r270
  text "GND GND" at 88.773,102.108 h1 r270
  text "3.3 3.3" at 139.573,102.108 h1 r270
  text "B8 用于中断功能" at 167.64,87.249 h1.8 r90
  text "B8" at 170.18,83.947 h0.8 r90
  text "B7" at 170.18,81.661 h0.8 r90
  text "B6" at 170.18,79.121 h0.8 r90
  text "B5" at 170.18,76.581 h0.8 r90
  text "B4" at 170.18,74.168 h0.8 r90
  text "B3" at 170.18,71.755 h0.8 r90
  text "G15" at 170.307,68.961 h0.8 r90
  text "G14" at 170.307,66.167 h0.8 r90
  text "G13" at 170.18,63.373 h0.8 r90
  text "显示屏已用引脚： / D0 D1 D4 D5 D8 D9 D10 D14 D15 / E7 E8 E9 E10 E11 E12 E13 E14 E15 / F12 F11 B0 B1 B2 B15 G12 C13" at 108.204,62.484 h2
  text "Pin RST，请将其接到芯片RESET / 引脚，即核心板的复位按键， / 或用短路帽将其连到G1" at 57.785,53.34 h1.8 r270
  text "GND GND" at 88.646,44.831 h1 r270
  text "GND GND" at 142.113,44.704 h1 r270
  text "B13 B12" at 83.185,44.577 h1 r270
  text "F11 F12" at 101.473,44.45 h1 r270
  text "F13 F14" at 98.806,44.323 h1 r270
  text "C15 C14" at 146.939,44.323 h1 r270
  text "B11 B10" at 85.852,44.196 h1 r270
  text "F15 G0" at 96.266,43.942 h1 r270
  text "VB 3.3" at 139.573,43.815 h1 r270
  text "C13 E6" at 149.352,43.815 h1 r270
  text "F10 C0" at 124.206,43.561 h1 r270
  text "5V 5V" at 136.779,43.307 h1 r270
  text "E3 E2" at 154.559,43.307 h1 r270
  text "E1 E0" at 157.226,43.307 h1 r270
  text "E5 E4" at 151.892,43.18 h1 r270
  text "E8 E9" at 91.186,43.053 h1 r270
  text "G1 E7" at 93.726,43.053 h1 r270
  text "B1 B2" at 103.759,43.053 h1 r270
  text "C5 B0" at 106.299,43.053 h1 r270
  text "A7 C4" at 108.839,43.053 h1 r270
  text "A5 A6" at 111.379,43.053 h1 r270
  text "A3 A4" at 113.919,43.053 h1 r270
  text "A1 A2" at 116.586,43.053 h1 r270
  text "C3 A0" at 119.126,43.053 h1 r270
  text "C1 C2" at 121.793,43.053 h1 r270
  text "F7 F8" at 126.619,43.053 h1 r270
  text "F6 F7" at 129.032,43.053 h1 r270
  text "F4 F5" at 131.572,43.053 h1 r270
  text "F2 F3" at 134.239,43.053 h1 r270
  text "F1 F0" at 144.526,43.053 h1 r270
Bottom Overlay:
  lines w0.254: 139.7,60.706 139.954,60.706 ; 139.954,63.246 140.081,63.246 ; 139.954,65.786 139.954,65.913 ; 142.494,63.119 142.494,63.246 ; 142.494,65.659 142.494,65.786

## Text inside footprints (layer, text, board x,y; h text height)
LCD1: Top Overlay "D14" at 49.621,72.317 h0.71 r90; Top Overlay "D7" at 56.007,64.897 h0.71 r90; Top Overlay "RS" at 49.621,49.817 h0.71 r90; Top Overlay "CS" at 56.007,49.784 h0.71 r90; Top Overlay "WR" at 56.007,52.324 h0.71 r90; Top Overlay "RST" at 56.007,54.483 h0.71 r90; Top Overlay "D1" at 56.007,57.531 h0.71 r90; Top Overlay "D2" at 49.621,57.442 h0.71 r90; Top Overlay "D3" at 56.007,59.944 h0.71 r90; Top Overlay "D4" at 49.621,59.942 h0.71 r90; Top Overlay "D5" at 56.007,62.484 h0.71 r90; Top Overlay "D6" at 49.621,62.567 h0.71 r90; Top Overlay "D8" at 49.621,64.692 h0.71 r90; Top Overlay "D9" at 56.007,67.437 h0.71 r90; Top Overlay "D13" at 56.121,72.317 h0.71 r90; Top Overlay "D12" at 49.621,69.817 h0.71 r90; Top Overlay "D15" at 56.007,74.93 h0.71 r90; Top Overlay "VDD" at 56.007,79.883 h0.71 r90; Top Overlay "V5" at 49.621,82.442 h0.71 r90; Top Overlay "GND" at 49.621,79.817 h0.71 r90; Top Overlay "VDD" at 49.621,77.317 h0.71 r90; Top Overlay "D10" at 49.621,67.192 h0.71 r90; Top Overlay "D0" at 49.621,54.942 h0.71 r90; Top Overlay "RD" at 49.621,52.317 h0.71 r90; Top Overlay "GND" at 49.621,74.817 h0.71 r90; Top Overlay "GND" at 56.007,82.296 h0.71 r90; Top Overlay "D11" at 56.007,69.85 h0.71 r90; Top Overlay "PEN" at 56.007,87.503 h0.71 r90; Top Overlay "CLK" at 49.621,89.942 h0.71 r90; Top Overlay "MOSI" at 49.621,84.692 h0.71 r90; Top Overlay "MO" at 49.621,87.942 h0.71 r90; Top Overlay "TCS" at 56.007,90.043 h0.71 r90; Top Overlay "MISO" at 56.007,84.582 h0.71 r90; Top Overlay "BL" at 56.007,77.851 h0.71 r90; Bottom Overlay "CS" at 57.277,49.403 h0.89 r270; Bottom Overlay "RS" at 55.372,49.53 h0.89 r270; Bottom Overlay "RD" at 55.372,52.197 h0.89 r270; Bottom Overlay "WR" at 57.277,52.197 h0.89 r270; Bottom Overlay "D0" at 55.372,54.737 h0.89 r270; Bottom Overlay "RST" at 57.277,54.356 h0.89 r270; Bottom Overlay "D1" at 57.277,57.404 h0.89 r270; Bottom Overlay "D2" at 55.372,57.277 h0.89 r270; Bottom Overlay "D3" at 57.277,59.817 h0.89 r270; Bottom Overlay "D4" at 55.372,59.817 h0.89 r270; Bottom Overlay "D5" at 57.277,62.484 h0.89 r270; Bottom Overlay "D6" at 55.372,62.484 h0.89 r270; Bottom Overlay "D7" at 57.277,64.897 h0.89 r270; Bottom Overlay "D8" at 55.372,64.897 h0.89 r270; Bottom Overlay "D9" at 57.277,67.31 h0.89 r270; Bottom Overlay "D10" at 55.372,66.929 h0.89 r270; Bottom Overlay "D11" at 57.277,69.596 h0.89 r270; Bottom Overlay "D12" at 55.372,69.596 h0.89 r270; Bottom Overlay "D13" at 57.277,72.136 h0.89 r270; Bottom Overlay "D14" at 55.372,72.263 h0.89 r270; Bottom Overlay "D15" at 57.277,74.803 h0.89 r270; Bottom Overlay "GND" at 55.372,74.803 h0.89 r270; Bottom Overlay "BL" at 57.277,77.597 h0.89 r270; Bottom Overlay "VDD" at 55.372,77.47 h0.89 r270; Bottom Overlay "VDD" at 57.277,79.502 h0.89 r270; Bottom Overlay "GND" at 55.372,80.137 h0.89 r270; Bottom Overlay "GND" at 57.277,82.169 h0.89 r270; Bottom Overlay "V5" at 55.372,82.931 h0.89 r270; Bottom Overlay "MI" at 57.277,85.344 h0.89 r270; Bottom Overlay "MO" at 55.372,85.217 h0.89 r270; Bottom Overlay "PEN" at 57.277,87.122 h0.89 r270; Bottom Overlay "NC" at 55.372,87.757 h0.89 r270; Bottom Overlay "TCS" at 57.277,89.916 h0.89 r270; Bottom Overlay "CLK" at 55.372,89.916 h0.89 r270
P1: Top Overlay "GND" at 143.815,86.233 h0.89; Top Overlay "GND" at 144.551,49.733 h0.76 r45; Top Overlay "GND" at 88.951,92.659 h0.76 r45; Top Overlay "GND" at 86.766,87.732 h0.76 r270; Top Overlay "GND" at 88.443,48.438 h0.76 r315; Top Overlay "GND" at 143.815,92.837 h0.89; Top Overlay "B6" at 135.661,92.837 h0.89; Top Overlay "B7" at 135.56,86.233 h0.89; Top Overlay "B4" at 133.121,92.837 h0.89; Top Overlay "B5" at 133.02,86.233 h0.89; Top Overlay "B8" at 138.1,92.837 h0.89; Top Overlay "B9" at 138.125,86.233 h0.89; Top Overlay "G15" at 130.962,92.837 h0.89; Top Overlay "B3" at 130.531,86.233 h0.89; Top Overlay "G14" at 128.372,86.233 h0.89; Top Overlay "G13" at 128.346,92.837 h0.89; Top Overlay "G12" at 125.806,86.233 h0.89; Top Overlay "G11" at 125.628,92.837 h0.89; Top Overlay "G10" at 123.19,86.233 h0.89; Top Overlay "G9" at 122.885,92.837 h0.89; Top Overlay "D6" at 120.371,92.837 h0.89; Top Overlay "D7" at 120.371,86.233 h0.89; Top Overlay "D4" at 117.754,92.837 h0.89; Top Overlay "D5" at 117.704,86.233 h0.89; Top Overlay "D2" at 115.189,92.837 h0.89; Top Overlay "D3" at 115.316,86.233 h0.89; Top Overlay "D1" at 112.522,86.233 h0.89; Top Overlay "D0" at 112.751,92.837 h0.89; Top Overlay "C11" at 110.465,92.837 h0.89; Top Overlay "C12" at 110.566,86.233 h0.89; Top Overlay "C10" at 107.95,86.233 h0.89; Top Overlay "A15" at 107.975,92.837 h0.89; Top Overlay "A13" at 105.334,92.837 h0.89; Top Overlay "A14" at 105.486,86.233 h0.89; Top Overlay "A11" at 102.667,92.837 h0.89; Top Overlay "A12" at 102.87,86.233 h0.89; Top Overlay "A9" at 100.152,92.837 h0.89; Top Overlay "A10" at 100.279,86.233 h0.89; Top Overlay "C9" at 97.612,92.837 h0.89; Top Overlay "A8" at 97.511,86.233 h0.89; Top Overlay "C7" at 94.92,92.837 h0.89; Top Overlay "C8" at 95.047,86.233 h0.89; Top Overlay "G8" at 92.405,92.837 h0.89; Top Overlay "C6" at 93.32,87.884 h0.76 r45; Top Overlay "G7" at 91.288,85.09 h0.76 r45; Top Overlay "G6" at 86.614,85.446 h0.89 r270; Top Overlay "G4" at 86.614,82.906 h0.89 r270; Top Overlay "G5" at 93.193,82.855 h0.89 r270; Top Overlay "G3" at 93.193,80.34 h0.89 r270; Top Overlay "G2" at 86.614,80.366 h0.89 r270; Top Overlay "D15" at 93.193,77.47 h0.89 r270; Top Overlay "D14" at 86.614,77.597 h0.89 r270; Top Overlay "D13" at 93.193,74.955 h0.89 r270; Top Overlay "D12" at 86.614,75.006 h0.89 r270; Top Overlay "D11" at 93.193,72.542 h0.89 r270; Top Overlay "D10" at 86.614,72.365 h0.89 r270; Top Overlay "D9" at 93.193,70.129 h0.89 r270; Top Overlay "D8" at 86.614,70.282 h0.89 r270; Top Overlay "B15" at 93.193,67.259 h0.89 r270; Top Overlay "B14" at 86.614,67.513 h0.89 r270; Top Overlay "B13" at 93.193,64.795 h0.89 r270; Top Overlay "B12" at 86.614,64.872 h0.89 r270; Top Overlay "E0" at 144.272,67.513 h0.89 r270; Top Overlay "E1" at 137.363,68.021 h0.89 r270; Top Overlay "E2" at 144.272,65.049 h0.89 r270; Top Overlay "E3" at 137.363,65.202 h0.89 r270; Top Overlay "E4" at 144.272,62.56 h0.89 r270; Top Overlay "E5" at 137.363,62.636 h0.89 r270; Top Overlay "E6" at 144.272,59.995 h0.89 r270; Top Overlay "C13" at 137.363,59.639 h0.89 r270; Top Overlay "C14" at 144.272,57.175 h0.89 r270; Top Overlay "C15" at 137.363,57.125 h0.89 r270; Top Overlay "F0" at 144.272,54.915 h0.89 r270; Top Overlay "F1" at 141.783,56.82 h0.76 r45; Top Overlay "F2" at 135.611,48.006 h0.89; Top Overlay "F3" at 135.56,54.61 h0.89; Top Overlay "F4" at 133.02,48.006 h0.89; Top Overlay "F5" at 133.045,54.61 h0.89; Top Overlay "F6" at 130.556,48.006 h0.89; Top Overlay "F7" at 130.378,54.61 h0.89; Top Overlay "F8" at 128.016,48.006 h0.89; Top Overlay "F9" at 127.864,54.61 h0.89; Top Overlay "F10" at 125.781,48.006 h0.89; Top Overlay "C0" at 125.451,54.61 h0.89; Top Overlay "C1" at 122.809,48.006 h0.89; Top Overlay "C2" at 122.885,54.61 h0.89; Top Overlay "C3" at 120.396,48.006 h0.89; Top Overlay "A0" at 120.371,54.61 h0.89; Top Overlay "A2" at 117.831,54.61 h0.89; Top Overlay "A1" at 117.704,48.006 h0.89; Top Overlay "A3" at 115.341,48.006 h0.89; Top Overlay "A4" at 115.418,54.61 h0.89; Top Overlay "A5" at 112.776,48.006 h0.89; Top Overlay "A6" at 112.573,54.61 h0.89; Top Overlay "A7" at 110.16,48.006 h0.89; Top Overlay "C4" at 110.185,54.61 h0.89; Top Overlay "C5" at 107.671,48.006 h0.89; Top Overlay "B0" at 107.696,54.61 h0.89; Top Overlay "B1" at 105.004,48.006 h0.89; Top Overlay "B2" at 105.131,54.61 h0.89; Top Overlay "F11" at 102.895,48.006 h0.89; Top Overlay "F12" at 102.845,54.61 h0.89; Top Overlay "F13" at 100.406,48.006 h0.89; Top Overlay "F14" at 100.305,54.61 h0.89; Top Overlay "F15" at 97.688,48.006 h0.89; Top Overlay "G0" at 97.46,54.61 h0.89; Top Overlay "G1" at 94.717,48.006 h0.89; Top Overlay "E7" at 95.707,51.054 h0.89 r315; Top Overlay "E8" at 92.431,48.006 h0.89; Top Overlay "E9" at 92.786,53.162 h0.89 r315; Top Overlay "E10" at 86.614,54.762 h0.89 r270; Top Overlay "E11" at 93.193,54.788 h0.89 r270; Top Overlay "E12" at 86.614,57.277 h0.89 r270; Top Overlay "E13" at 93.193,57.201 h0.89 r270; Top Overlay "E14" at 86.614,59.792 h0.89 r270; Top Overlay "E15" at 93.193,59.665 h0.89 r270; Top Overlay "B10" at 86.614,62.281 h0.89 r270; Top Overlay "B11" at 93.193,62.306 h0.89 r270; Top Overlay "5V" at 138.176,48.006 h0.89; Top Overlay "VB" at 140.716,48.006 h0.89; Top Overlay "5V" at 138.1,54.61 h0.89; Top Overlay "3.3" at 139.954,54.381 h0.76 r45; Top Overlay "GND" at 144.272,51.918 h0.89 r270; Top Overlay "3.3" at 140.945,92.837 h0.89; Top Overlay "3.3" at 140.945,86.233 h0.89; Top Overlay "GND" at 86.614,52.095 h0.89 r270
P3: Bottom Overlay "60" at 81.915,35.814 h1.27; Bottom Overlay "59" at 81.915,33.274 h1.27; Bottom Overlay "1" at 160.147,33.274 h1.27; Bottom Overlay "2" at 160.147,35.814 h1.27
P4: Bottom Overlay "60" at 144.653,104.902 h1.27 r180; Bottom Overlay "59" at 144.653,107.442 h1.27 r180; Bottom Overlay "1" at 66.421,107.442 h1.27 r180; Bottom Overlay "2" at 66.421,104.902 h1.27 r180